# Allegro board 8880F5-0822_7.brd (continued)
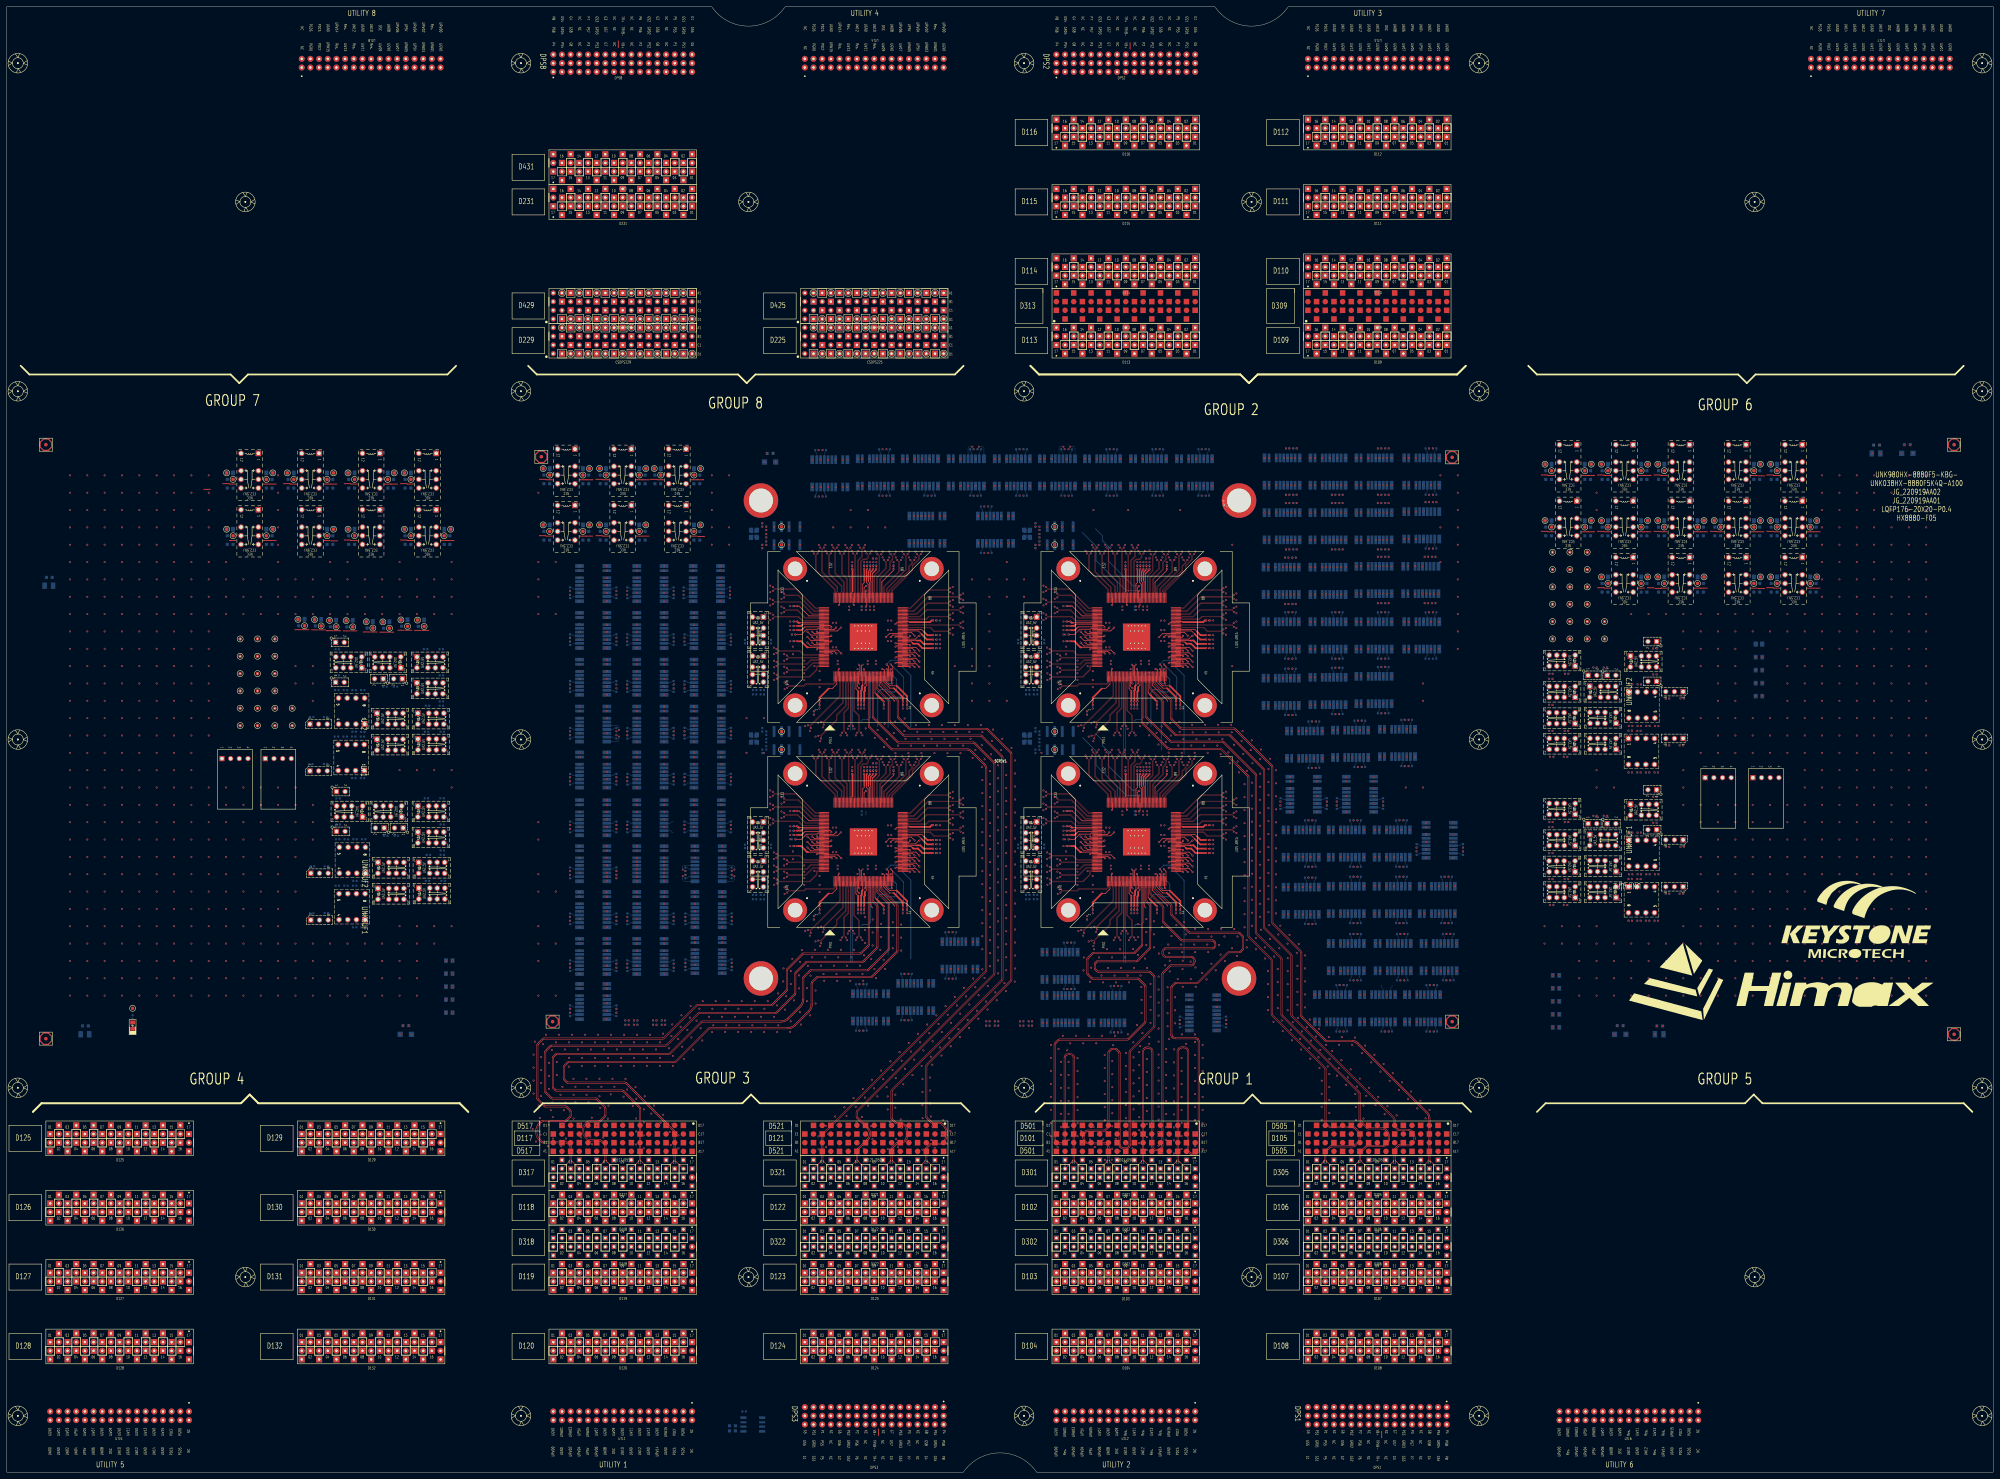
[diagram p0: board, top side]
## Placement (name value [footprint] x y rotation side) (continued)
NOREF#1338  -  []  252.6 288.86 0 top
NOREF#1339  -  []  380.59 239.21 0 top
NOREF#1340  -  []  387.08 188.15 0 top
NOREF#1341  -  []  418.37 289.17 90 top
NOREF#1342  -  []  312.46 144.39 90 top
NOREF#1343  -  []  199.84 162.12 90 top
NOREF#1344  -  []  303.84 288.86 0 top
NOREF#1345  -  []  337.9 186.99 0 top
NOREF#1346  -  []  384.36 131.89 0 top
NOREF#1347  -  []  483.17 130.26 90 top
NOREF#1348  -  []  269.94 135.19 0 top
NOREF#1349  -  []  168.69 292.55 90 top
NOREF#1350  -  []  127.95 187.53 0 top
NOREF#1351  -  []  257.9 186.99 0 top
NOREF#1352  -  []  249.85 164.74 0 top
NOREF#1353  -  []  330.49 223.52 90 top
NOREF#1354  -  []  400.79 154.88 0 top
NOREF#1355  -  []  257.09 163.52 90 top
NOREF#1356  -  []  230.41 247.61 90 top
NOREF#1357  -  []  317.05 288.86 0 top
NOREF#1358  -  []  103.93 235.64 0 top
NOREF#1359  -  []  338.2 186.67 0 top
NOREF#1360  -  []  375.73 199.18 90 top
NOREF#1361  -  []  327.25 264.35 90 top
NOREF#1362  -  []  107.18 246.83 90 top
NOREF#1363  -  []  94.93 190.55 0 top
NOREF#1364  -  []  230.73 186.66 0 top
NOREF#1365  -  []  415.1 163.64 0 top
NOREF#1366  -  []  247.25 264.35 90 top
NOREF#1367  -  []  418.12 257.42 90 top
NOREF#1368  -  []  210.86 201.29 90 top
NOREF#1369  -  []  221.56 179.06 0 top
NOREF#1370  -  []  453.84 222.5 0 top
NOREF#1371  -  []  400.85 233.11 0 top
NOREF#1372  -  []  118.7 222.88 0 top
NOREF#1373  -  []  392.24 196.98 90 top
NOREF#1374  -  []  461.96 166.93 0 top
NOREF#1375  -  []  419.9 240.56 90 top
NOREF#1376  -  []  283.25 147.43 90 top
NOREF#1377  -  []  111.54 287.84 90 top
NOREF#1378  -  []  459.28 183.57 90 top
NOREF#1379  -  []  332.51 265.56 0 top
NOREF#1380  -  []  336.77 223.82 90 top
NOREF#1381  -  []  392.04 257.11 90 top
NOREF#1382  -  []  322.62 139.64 0 top
NOREF#1383  -  []  260.55 136.46 90 top
NOREF#1384  -  []  167.7 151.68 90 top
NOREF#1385  -  []  112.16 238.84 0 top
NOREF#1386  -  []  105.58 234.24 90 top
NOREF#1387  -  []  182.57 171.96 90 top
NOREF#1388  -  []  351.34 249.5 0 top
NOREF#1389  -  []  328.62 290.13 90 top
NOREF#1390  -  []  175.7 257.6 90 top
NOREF#1391  -  []  414.82 281.37 0 top
NOREF#1392  -  []  229.21 246.34 0 top
NOREF#1393  -  []  352.25 244.86 90 top
NOREF#1394  -  []  329.85 224.72 0 top
NOREF#1395  -  []  328.42 129.74 90 top
NOREF#1396  -  []  382.47 133.16 90 top
NOREF#1397  -  []  424.98 146.33 90 top
NOREF#1398  -  []  167.7 186.57 90 top
NOREF#1399  -  []  192.47 154.88 90 top
NOREF#1400  -  []  110.47 171.02 0 top
NOREF#1401  -  []  318.3 224.74 90 top
NOREF#1402  -  []  184.47 178.86 90 top
NOREF#1403  -  []  252.83 264.65 90 top
NOREF#1404  -  []  107.02 179.19 0 top
NOREF#1405  -  []  352.55 181.37 0 top
NOREF#1406  -  []  241.6 296.61 0 top
NOREF#1407  -  []  369.63 273.11 0 top
NOREF#1408  -  []  256.77 163.82 90 top
NOREF#1409  -  []  272.25 182.32 90 top
NOREF#1410  -  []  230.43 188.88 0 top
NOREF#1411  -  []  175.7 182.06 90 top
NOREF#1412  -  []  184.47 145.93 90 top
NOREF#1413  -  []  199.59 243.9 90 top
NOREF#1414  -  []  367.73 274.38 90 top
NOREF#1415  -  []  272.55 241.37 0 top
NOREF#1416  -  []  392.04 224.85 90 top
NOREF#1417  -  []  265.81 288.86 0 top
NOREF#1418  -  []  423.71 181.22 90 top
NOREF#1419  -  []  239.33 243.63 90 top
NOREF#1420  -  []  261.63 255.43 90 top
NOREF#1421  -  []  403.41 209.61 0 top
NOREF#1422  -  []  310.43 253.37 90 top
NOREF#1423  -  []  479.44 195.66 0 top
NOREF#1424  -  []  262.04 224.72 0 top
NOREF#1425  -  []  371.73 289.12 0 top
NOREF#1426  -  []  184.47 147.28 90 top
NOREF#1427  -  []  352.24 244.86 90 top
NOREF#1428  -  []  167.7 241.43 0 top
NOREF#1429  -  []  351.34 249.5 0 top
NOREF#1430  -  []  184.47 187.92 90 top
NOREF#1431  -  []  177.33 173.86 90 top
NOREF#1432  -  []  332.51 265.55 0 top
NOREF#1433  -  []  199.59 158.5 90 top
NOREF#1434  -  []  368.03 249.11 0 top
NOREF#1435  -  []  462.06 274.77 90 top
NOREF#1436  -  []  175.7 195.52 90 top
NOREF#1437  -  []  417.7 154.88 0 top
NOREF#1438  -  []  230.43 253.37 0 top
NOREF#1439  -  []  369.63 289.12 0 top
NOREF#1440  -  []  385.93 161.74 0 top
NOREF#1441  -  []  117.01 234.24 90 top
NOREF#1442  -  []  229.21 187.61 0 top
NOREF#1443  -  []  485.36 289.48 90 top
NOREF#1444  -  []  201.21 273.5 90 top
NOREF#1445  -  []  184.47 241.43 0 top
NOREF#1446  -  []  184.47 173.11 90 top
NOREF#1447  -  []  385.19 241.11 0 top
NOREF#1448  -  []  385.19 232.85 0 top
NOREF#1449  -  []  386.46 139.89 0 top
NOREF#1450  -  []  377.32 180.15 0 top
NOREF#1451  -  []  369.38 241.11 0 top
NOREF#1452  -  []  201.23 219.75 90 top
NOREF#1453  -  []  424.55 146.88 90 top
NOREF#1454  -  []  413.75 171.64 0 top
NOREF#1455  -  []  215.96 248.49 0 top
NOREF#1456  -  []  165.8 131.57 0 top
NOREF#1457  -  []  167.7 132.72 90 top
NOREF#1458  -  []  223.15 211.32 90 top
NOREF#1459  -  []  333.4 265.55 0 top
NOREF#1460  -  []  388.35 217.36 0 top
NOREF#1461  -  []  406.19 171.64 0 top
NOREF#1462  -  []  93.02 247.21 90 top
NOREF#1463  -  []  451.68 230.2 0 top
NOREF#1464  -  []  332.51 205.56 0 top
NOREF#1465  -  []  392.73 188.15 0 top
NOREF#1466  -  []  559.43 297.18 90 top
NOREF#1467  -  []  462.06 293.82 90 top
NOREF#1468  -  []  250.49 223.52 90 top
NOREF#1469  -  []  127.3 235.64 90 top
NOREF#1470  -  []  386.53 181.42 90 top
NOREF#1471  -  []  272.25 244.23 0 top
NOREF#1472  -  []  215.96 237.06 0 top
NOREF#1473  -  []  352.25 242.96 0 top
NOREF#1474  -  []  167.7 192.32 90 top
NOREF#1475  -  []  127.55 191.95 90 top
NOREF#1476  -  []  259.33 265.56 90 top
NOREF#1477  -  []  388.43 180.15 0 top
NOREF#1478  -  []  108.27 171.02 0 top
NOREF#1479  -  []  334.61 204.65 90 top
NOREF#1480  -  []  384.17 163.39 90 top
NOREF#1481  -  []  339.65 265.86 90 top
NOREF#1482  -  []  296.81 275.94 0 top
NOREF#1483  -  []  252.83 204.65 90 top
NOREF#1484  -  []  263.31 224.72 0 top
NOREF#1485  -  []  242.23 173.13 90 top
NOREF#1486  -  []  184.47 256.5 90 top
NOREF#1487  -  []  261.63 173.83 90 top
NOREF#1488  -  []  297.41 213.24 0 top
NOREF#1489  -  []  450.03 225.6 0 top
NOREF#1490  -  []  463.11 186.77 0 top
NOREF#1491  -  []  320.94 151.63 90 top
NOREF#1492  -  []  117.26 190.55 90 top
NOREF#1493  -  []  75.98 287.84 90 top
NOREF#1494  -  []  184.47 206.29 90 top
NOREF#1495  -  []  230.41 186.34 90 top
NOREF#1496  -  []  397.55 209.41 90 top
NOREF#1497  -  []  271.34 243.91 0 top
NOREF#1498  -  []  184.47 145.93 0 top
NOREF#1499  -  []  453.88 230.2 0 top
NOREF#1500  -  []  388.43 180.15 0 top
NOREF#1501  -  []  268.01 296.86 0 top
NOREF#1502  -  []  352.24 182.32 90 top
NOREF#1503  -  []  310.43 193.37 90 top
NOREF#1504  -  []  351.34 241.37 0 top
NOREF#1505  -  []  414.57 265.37 0 top
NOREF#1506  -  []  256.73 132.14 0 top
NOREF#1507  -  []  478.57 293.82 90 top
NOREF#1508  -  []  96.58 195.15 0 top
NOREF#1509  -  []  209.49 168.6 90 top
NOREF#1510  -  []  263.63 223.82 90 top
NOREF#1511  -  []  271.34 189.5 0 top
NOREF#1512  -  []  334.29 205.56 90 top
NOREF#1513  -  []  342.36 223.82 90 top
NOREF#1514  -  []  396.55 225.11 0 top
NOREF#1515  -  []  201.91 145.63 90 top
NOREF#1516  -  []  229.51 249.2 0 top
NOREF#1517  -  []  481.96 273.87 90 top
NOREF#1518  -  []  405.93 272.66 90 top
NOREF#1519  -  []  310.43 189.52 0 top
NOREF#1520  -  []  248.96 224.74 0 top
NOREF#1521  -  []  184.47 186.57 0 top
NOREF#1522  -  []  251.06 225.04 90 top
NOREF#1523  -  []  230.73 253.69 0 top
NOREF#1524  -  []  105.83 190.55 90 top
NOREF#1525  -  []  298.16 188.49 0 top
NOREF#1526  -  []  297.83 174.63 90 top
NOREF#1527  -  []  483.04 195.66 0 top
NOREF#1528  -  []  127.99 214.79 0 top
NOREF#1529  -  []  399.67 131.89 0 top
NOREF#1530  -  []  113.08 129.54 0 top
NOREF#1531  -  []  272.55 182.64 0 top
NOREF#1532  -  []  155.57 275.14 90 top
NOREF#1533  -  []  262.04 224.74 0 top
NOREF#1534  -  []  182.57 226.57 0 top
NOREF#1535  -  []  256.45 164.74 0 top
NOREF#1536  -  []  108.01 222.33 0 top
NOREF#1537  -  []  302.11 240.71 0 top
NOREF#1538  -  []  331.86 252.43 90 top
NOREF#1539  -  []  251.06 163.82 90 top
NOREF#1540  -  []  392.47 224.3 90 top
NOREF#1541  -  []  260.6 286.96 90 top
NOREF#1542  -  []  263.95 164.74 90 top
NOREF#1543  -  []  184.47 159.65 90 top
NOREF#1544  -  []  344.62 131.89 90 top
NOREF#1545  -  []  167.7 176.66 90 top
NOREF#1546  -  []  167.7 147.28 90 top
NOREF#1547  -  []  251.94 205.86 90 top
NOREF#1548  -  []  331.94 265.86 90 top
NOREF#1549  -  []  124.39 214.79 0 top
NOREF#1550  -  []  424.47 163.19 90 top
NOREF#1551  -  []  313.98 143.89 90 top
NOREF#1552  -  []  418.63 131.94 90 top
NOREF#1553  -  []  22.16 130.26 90 top
NOREF#1554  -  []  410.52 289.12 0 top
NOREF#1555  -  []  175.7 246.08 90 top
NOREF#1556  -  []  419.22 257.37 90 top
NOREF#1557  -  []  167.7 233.47 90 top
NOREF#1558  -  []  310.43 246.34 90 top
NOREF#1559  -  []  315.16 290.13 90 top
NOREF#1560  -  []  411.09 146.88 90 top
NOREF#1561  -  []  333.72 265.86 90 top
NOREF#1562  -  []  250.73 204.35 90 top
NOREF#1563  -  []  192.47 232.37 90 top
NOREF#1564  -  []  465.45 276.41 90 top
NOREF#1565  -  []  459.28 227 90 top
NOREF#1566  -  []  279.27 296.86 0 top
NOREF#1567  -  []  175.7 137.37 90 top
NOREF#1568  -  []  177.33 242.18 90 top
NOREF#1569  -  []  175.7 202.99 90 top
NOREF#1570  -  []  342.04 224.72 0 top
NOREF#1571  -  []  118.74 215.34 0 top
NOREF#1572  -  []  456.08 230.2 0 top
NOREF#1573  -  []  353.35 288.41 90 top
NOREF#1574  -  []  346.27 135.17 90 top
NOREF#1575  -  []  470.71 183.57 90 top
NOREF#1576  -  []  184.47 186.57 90 top
NOREF#1577  -  []  182.82 243.9 90 top
NOREF#1578  -  []  175.7 177.76 90 top
NOREF#1579  -  []  274.67 286.96 0 top
NOREF#1580  -  []  167.7 219.75 90 top
NOREF#1581  -  []  379.01 288.67 90 top
NOREF#1582  -  []  495.08 277.31 90 top
NOREF#1583  -  []  396.03 180.15 0 top
NOREF#1584  -  []  315.7 296.86 0 top
NOREF#1585  -  []  184.47 178.86 90 top
NOREF#1586  -  []  377.32 163.39 0 top
NOREF#1587  -  []  383.07 163.44 90 top
NOREF#1588  -  []  555.66 300.54 90 top
NOREF#1589  -  []  369.38 241.11 0 top
NOREF#1590  -  []  251.86 252.43 90 top
NOREF#1591  -  []  369.38 224.6 0 top
NOREF#1592  -  []  303.15 211.32 90 top
NOREF#1593  -  []  420.62 271.47 90 top
NOREF#1594  -  []  175.7 191.22 90 top
NOREF#1595  -  []  396.28 146.93 90 top
NOREF#1596  -  []  394.66 274.38 90 top
NOREF#1597  -  []  310.41 247.61 90 top
NOREF#1598  -  []  127.7 231.22 0 top
NOREF#1599  -  []  390.53 146.88 0 top
NOREF#1600  -  []  304.61 144.34 0 top
NOREF#1601  -  []  402.14 146.88 0 top
NOREF#1602  -  []  405.51 209.61 0 top
NOREF#1603  -  []  167.7 159.65 90 top
NOREF#1604  -  []  182.82 203.01 90 top
NOREF#1605  -  []  210.86 187.32 90 top
NOREF#1606  -  []  301.56 182.89 0 top
NOREF#1607  -  []  459.28 183.57 0 top
NOREF#1608  -  []  272.55 245.18 0 top
NOREF#1609  -  []  352.25 181.69 0 top
NOREF#1610  -  []  334.29 265.55 0 top
NOREF#1611  -  []  310.73 189.2 0 top
NOREF#1612  -  []  96.33 238.84 0 top
NOREF#1613  -  []  283.21 270.2 90 top
NOREF#1614  -  []  390.59 195.9 90 top
NOREF#1615  -  []  465.31 230.2 0 top
NOREF#1616  -  []  308.36 262.16 45 top
NOREF#1617  -  []  342.68 164.74 90 top
NOREF#1618  -  []  332.51 205.56 90 top
NOREF#1619  -  []  333.4 205.56 90 top
NOREF#1620  -  []  229.21 186.34 0 top
NOREF#1621  -  []  396.55 241.11 0 top
NOREF#1622  -  []  248 286.96 0 top
NOREF#1623  -  []  399.07 208.91 90 top
NOREF#1624  -  []  333.33 181.33 90 top
NOREF#1625  -  []  230.73 189.2 0 top
NOREF#1626  -  []  263.31 224.74 0 top
NOREF#1627  -  []  406.65 287.22 90 top
NOREF#1628  -  []  194.09 160.4 90 top
NOREF#1629  -  []  259.33 205.56 90 top
NOREF#1630  -  []  115.87 167.82 90 top
NOREF#1631  -  []  217.41 273.24 0 top
NOREF#1632  -  []  271.34 249.5 0 top
NOREF#1633  -  []  369.38 224.6 0 top
NOREF#1634  -  []  218.16 248.49 0 top
NOREF#1635  -  []  310.73 246.66 0 top
NOREF#1636  -  []  331.94 264.65 90 top
NOREF#1637  -  []  250.73 265.56 0 top
NOREF#1638  -  []  251.05 264.65 90 top
NOREF#1639  -  []  106.36 190.55 0 top
NOREF#1640  -  []  273.59 272.15 90 top
NOREF#1641  -  []  229.21 253.37 0 top
NOREF#1642  -  []  343.31 164.74 0 top
NOREF#1643  -  []  312.21 131.64 0 top
NOREF#1644  -  []  411.26 179.6 90 top
NOREF#1645  -  []  192.47 230.17 90 top
NOREF#1646  -  []  272.24 249.18 90 top
NOREF#1647  -  []  459.28 168.33 90 top
NOREF#1648  -  []  272.25 242.96 0 top
NOREF#1649  -  []  459.24 175.86 0 top
NOREF#1650  -  []  184.47 165.4 90 top
NOREF#1651  -  []  36.1 131.91 0 top
NOREF#1652  -  []  272.24 249.18 90 top
NOREF#1653  -  []  239.33 176.03 0 top
NOREF#1654  -  []  248.96 224.72 0 top
NOREF#1655  -  []  312.25 211.67 90 top
NOREF#1656  -  []  107.02 174.04 90 top
NOREF#1657  -  []  462.06 291.28 90 top
NOREF#1658  -  []  331.94 204.65 90 top
NOREF#1659  -  []  230.43 253.37 90 top
NOREF#1660  -  []  272.55 183.91 0 top
NOREF#1661  -  []  209.33 187.82 90 top
NOREF#1662  -  []  167.7 145.93 0 top
NOREF#1663  -  []  451.68 230.2 0 top
NOREF#1664  -  []  387.39 297.12 0 top
NOREF#1665  -  []  331.05 265.86 90 top
NOREF#1666  -  []  108.01 214.71 0 top
NOREF#1667  -  []  237.98 163.82 90 top
NOREF#1668  -  []  184.47 233.47 90 top
NOREF#1669  -  []  472.86 210.36 90 top
NOREF#1670  -  []  192.47 250.38 90 top
NOREF#1671  -  []  401.89 180.15 0 top
NOREF#1672  -  []  167.7 231.27 90 top
NOREF#1673  -  []  106.76 215.26 0 top
NOREF#1674  -  []  251.54 252.73 90 top
NOREF#1675  -  []  249.28 223.82 90 top
NOREF#1676  -  []  194.09 242.18 90 top
NOREF#1677  -  []  230.41 193.37 90 top
NOREF#1678  -  []  343.31 164.72 0 top
NOREF#1679  -  []  251.38 224.74 90 top
NOREF#1680  -  []  167.7 161 90 top
NOREF#1681  -  []  209.49 162.1 90 top
NOREF#1682  -  []  167.7 219.75 90 top
NOREF#1683  -  []  240.83 194.63 0 top
NOREF#1684  -  []  201.23 204.09 90 top
NOREF#1685  -  []  271.04 245.5 0 top
NOREF#1686  -  []  250.5 288.86 0 top
NOREF#1687  -  []  463.61 179.15 0 top
NOREF#1688  -  []  346.27 135.17 90 top
NOREF#1689  -  []  336.45 164.74 0 top
NOREF#1690  -  []  389.7 209.36 0 top
NOREF#1691  -  []  220.36 248.49 0 top
NOREF#1692  -  []  351.04 249.18 0 top
NOREF#1693  -  []  415.6 146.88 0 top
NOREF#1694  -  []  251.05 265.86 90 top
NOREF#1695  -  []  344.37 128.27 90 top
NOREF#1696  -  []  119.7 238.84 0 top
NOREF#1697  -  []  460.89 217.9 90 top
NOREF#1698  -  []  217.41 213.24 0 top
NOREF#1699  -  []  468.01 214.96 0 top
NOREF#1700  -  []  108.01 195.15 0 top
NOREF#1701  -  []  201.23 233.47 90 top
NOREF#1702  -  []  371.48 249.11 0 top
NOREF#1703  -  []  217.41 213.24 90 top
NOREF#1704  -  []  471.21 175.95 0 top
NOREF#1705  -  []  96.58 195.15 0 top
NOREF#1706  -  []  127.84 167.9 90 top
NOREF#1707  -  []  329.85 224.74 0 top
NOREF#1708  -  []  201.49 159.65 90 top
NOREF#1709  -  []  252.51 205.56 90 top
NOREF#1710  -  []  310.43 247.61 90 top
NOREF#1711  -  []  404.15 225.11 0 top
NOREF#1712  -  []  201.49 176.66 90 top
NOREF#1713  -  []  339.65 205.86 90 top
NOREF#1714  -  []  351.04 181.69 0 top
NOREF#1715  -  []  201.23 214 90 top
NOREF#1716  -  []  406.95 131.44 90 top
NOREF#1717  -  []  209.23 230.17 90 top
NOREF#1718  -  []  300.74 286.96 90 top
NOREF#1719  -  []  317.05 288.86 0 top
NOREF#1720  -  []  270.04 280.1 0 top
NOREF#1721  -  []  554.86 298.45 0 top
NOREF#1722  -  []  342.04 224.74 0 top
NOREF#1723  -  []  165.8 240.28 90 top
NOREF#1724  -  []  230.73 189.2 0 top
NOREF#1725  -  []  383.09 273.11 0 top
NOREF#1726  -  []  336.77 165.04 90 top
NOREF#1727  -  []  420.15 131.44 90 top
NOREF#1728  -  []  451.68 214.96 0 top
NOREF#1729  -  []  209.33 201.79 90 top
NOREF#1730  -  []  175.8 147.18 90 top
NOREF#1731  -  []  310.41 183.09 90 top
NOREF#1732  -  []  184.47 165.4 90 top
NOREF#1733  -  []  485.36 257.36 90 top
NOREF#1734  -  []  396.22 139.89 0 top
NOREF#1735  -  []  330.49 164.74 90 top
NOREF#1736  -  []  306.85 271.67 0 top
NOREF#1737  -  []  310.43 248.88 0 top
NOREF#1738  -  []  343.63 163.82 90 top
NOREF#1739  -  []  118.45 231.77 0 top
NOREF#1740  -  []  194.09 228.47 90 top
NOREF#1741  -  []  326.43 288.31 90 top
NOREF#1742  -  []  271.04 184.23 0 top
NOREF#1743  -  []  423.45 146.93 90 top
NOREF#1744  -  []  238.45 197.01 0 top
NOREF#1745  -  []  417.2 171.64 0 top
NOREF#1746  -  []  209.33 228.97 90 top
NOREF#1747  -  []  418.12 273.37 0 top
NOREF#1748  -  []  352.25 189.82 0 top
NOREF#1749  -  []  419.65 256.92 90 top
NOREF#1750  -  []  396.55 289.12 0 top
NOREF#1751  -  []  404.4 289.17 90 top
NOREF#1752  -  []  111.54 290.38 90 top
NOREF#1753  -  []  352.24 183.59 90 top
NOREF#1754  -  []  337.9 246.35 90 top
NOREF#1755  -  []  210.6 255.9 90 top
NOREF#1756  -  []  392.47 224.4 90 top
NOREF#1757  -  []  252.83 205.86 90 top
NOREF#1758  -  []  118.74 215.34 0 top
NOREF#1759  -  []  252.51 265.55 0 top
NOREF#1760  -  []  259.33 264.35 90 top
NOREF#1761  -  []  373.68 232.6 0 top
NOREF#1762  -  []  298.16 248.49 0 top
NOREF#1763  -  []  192.47 150.58 90 top
NOREF#1764  -  []  124.35 195.15 0 top
NOREF#1765  -  []  352.25 181.05 90 top
NOREF#1766  -  []  330.17 163.82 90 top
NOREF#1767  -  []  366.88 239.21 0 top
NOREF#1768  -  []  352.24 249.18 90 top
NOREF#1769  -  []  192.47 148.38 90 top
NOREF#1770  -  []  375.73 194.78 90 top
NOREF#1771  -  []  317.66 224.72 0 top
NOREF#1772  -  []  229.21 183.09 0 top
NOREF#1773  -  []  167.7 132.72 0 top
NOREF#1774  -  []  460.93 191.31 90 top
NOREF#1775  -  []  254.61 265.86 90 top
NOREF#1776  -  []  247.25 205.55 0 top
NOREF#1777  -  []  184.47 244.98 90 top
NOREF#1778  -  []  268.94 272.1 0 top
NOREF#1779  -  []  308.91 139.64 0 top
NOREF#1780  -  []  400.54 171.64 0 top
NOREF#1781  -  []  35.83 128.17 90 top
NOREF#1782  -  []  237.98 225.04 90 top
NOREF#1783  -  []  230.73 243.41 0 top
NOREF#1784  -  []  405.17 131.89 0 top
NOREF#1785  -  []  334.61 205.86 90 top
NOREF#1786  -  []  209.23 216.45 90 top
NOREF#1787  -  []  201.23 192.32 90 top
NOREF#1788  -  []  166.06 230.19 90 top
NOREF#1789  -  []  294.94 296.86 0 top
NOREF#1790  -  []  319.15 296.86 0 top
NOREF#1791  -  []  252.51 205.56 0 top
NOREF#1792  -  []  199.33 257.62 90 top
NOREF#1793  -  []  168.13 213.45 90 top
NOREF#1794  -  []  166.06 189.04 90 top
NOREF#1795  -  []  465.45 292.92 90 top
NOREF#1796  -  []  182.57 240.28 0 top
NOREF#1797  -  []  380.59 222.95 0 top
NOREF#1798  -  []  388.66 139.89 0 top
NOREF#1799  -  []  167.7 200.54 90 top
NOREF#1800  -  []  398.65 225.11 0 top
NOREF#1801  -  []  339.33 205.56 0 top
NOREF#1802  -  []  368.28 281.11 0 top
NOREF#1803  -  []  184.47 174.46 90 top
NOREF#1804  -  []  400.85 249.11 0 top
NOREF#1805  -  []  395.2 265.37 0 top
NOREF#1806  -  []  310.41 246.34 90 top
NOREF#1807  -  []  229.21 193.37 0 top
NOREF#1808  -  []  471.21 168.33 0 top
NOREF#1809  -  []  258.1 288.86 0 top
NOREF#1810  -  []  199.59 216.47 90 top
NOREF#1811  -  []  371.48 232.6 0 top
NOREF#1812  -  []  348.28 296.86 0 top
NOREF#1813  -  []  403.99 188.15 0 top
NOREF#1814  -  []  395.2 233.11 0 top
NOREF#1815  -  []  184.47 159.65 0 top
NOREF#1816  -  []  201.23 186.57 0 top
NOREF#1817  -  []  128.24 171.1 0 top
NOREF#1818  -  []  36.1 129.71 90 top
NOREF#1819  -  []  118.74 210.19 90 top
NOREF#1820  -  []  249.13 140.14 0 top
NOREF#1821  -  []  459.28 192.71 90 top
NOREF#1822  -  []  273.95 155.38 0 top
NOREF#1823  -  []  127.3 228.02 90 top
NOREF#1824  -  []  383.83 194.68 90 top
NOREF#1825  -  []  459.24 175.86 90 top
NOREF#1826  -  []  339.46 288.86 90 top
NOREF#1827  -  []  296.96 180.71 0 top
NOREF#1828  -  []  367.13 287.22 0 top
NOREF#1829  -  []  230.43 183.09 90 top
NOREF#1830  -  []  459.28 211.76 90 top
NOREF#1831  -  []  201.23 206.29 90 top
NOREF#1832  -  []  332.51 205.55 0 top
NOREF#1833  -  []  351.04 244.23 0 top
NOREF#1834  -  []  409.74 180.2 90 top
NOREF#1835  -  []  388.43 163.64 0 top
NOREF#1836  -  []  331.22 193.63 0 top
NOREF#1837  -  []  101.82 290.38 90 top
NOREF#1838  -  []  396.03 163.64 0 top
NOREF#1839  -  []  329.16 296.86 0 top
NOREF#1840  -  []  346.27 129.42 90 top
NOREF#1841  -  []  230.73 183.41 0 top
NOREF#1842  -  []  327.57 264.65 90 top
NOREF#1843  -  []  175.7 141.67 90 top
NOREF#1844  -  []  250.17 225.04 90 top
NOREF#1845  -  []  229.21 248.88 0 top
NOREF#1846  -  []  250.74 224.74 0 top
NOREF#1847  -  []  192.57 256.4 90 top
NOREF#1848  -  []  258.2 186.67 0 top
NOREF#1849  -  []  310.43 193.37 90 top
NOREF#1850  -  []  209.23 189.02 90 top
NOREF#1851  -  []  411.52 146.43 90 top
NOREF#1852  -  []  185.2 273.5 90 top
NOREF#1853  -  []  128.21 178.64 0 top
NOREF#1854  -  []  351.04 249.82 0 top
NOREF#1855  -  []  272.24 242.32 90 top
NOREF#1856  -  []  184.47 163.2 90 top
NOREF#1857  -  []  378.75 256.56 90 top
NOREF#1858  -  []  115.87 175.44 90 top
NOREF#1859  -  []  108.27 178.64 0 top
NOREF#1860  -  []  119.99 214.79 0 top
NOREF#1861  -  []  320.94 211.63 90 top
NOREF#1862  -  []  339.65 264.65 90 top
NOREF#1863  -  []  301.95 290.13 90 top
NOREF#1864  -  []  375.22 180.15 0 top
NOREF#1865  -  []  250.5 288.86 0 top
NOREF#1866  -  []  251.62 264.35 90 top
NOREF#1867  -  []  167.7 206.29 90 top
NOREF#1868  -  []  184.47 227.72 0 top
NOREF#1869  -  []  200.98 255.15 90 top
NOREF#1870  -  []  184.89 186.02 90 top
NOREF#1871  -  []  369.38 224.6 0 top
NOREF#1872  -  []  390.94 224.9 90 top
NOREF#1873  -  []  329.6 164.74 90 top
NOREF#1874  -  []  107.02 166.42 90 top
NOREF#1875  -  []  166.06 216.47 90 top
NOREF#1876  -  []  104.18 191.95 0 top
NOREF#1877  -  []  309.21 183.09 0 top
NOREF#1878  -  []  315.82 129.74 0 top
NOREF#1879  -  []  330.74 164.74 0 top
NOREF#1880  -  []  240.94 211.63 90 top
NOREF#1881  -  []  226.83 269.63 90 top
NOREF#1882  -  []  254.29 205.56 90 top
NOREF#1883  -  []  272.25 241.69 0 top
NOREF#1884  -  []  342.68 163.52 90 top
NOREF#1885  -  []  253.4 205.56 0 top
NOREF#1886  -  []  334.81 296.86 0 top
NOREF#1887  -  []  271.56 288.91 90 top
NOREF#1888  -  []  230.43 187.61 90 top
NOREF#1889  -  []  209.23 205.19 90 top
NOREF#1890  -  []  273.09 288.41 90 top
NOREF#1891  -  []  182.57 254 0 top
NOREF#1892  -  []  390.69 257.11 0 top
NOREF#1893  -  []  201.23 200.54 0 top
NOREF#1894  -  []  237.2 296.61 0 top
NOREF#1895  -  []  413.96 182.44 90 top
NOREF#1896  -  []  273.5 148.65 90 top
NOREF#1897  -  []  377.32 171.39 0 top
NOREF#1898  -  []  201.49 146.18 0 top
NOREF#1899  -  []  451.68 239.34 0 top
NOREF#1900  -  []  238.3 164.74 90 top
NOREF#1901  -  []  410.27 257.37 0 top
NOREF#1902  -  []  398.65 249.11 0 top
NOREF#1903  -  []  334.29 265.56 0 top
NOREF#1904  -  []  199.59 203.01 90 top
NOREF#1905  -  []  240.83 254.63 0 top
NOREF#1906  -  []  401.89 180.15 0 top
NOREF#1907  -  []  221.56 242.89 0 top
NOREF#1908  -  []  83.77 247.51 90 top
NOREF#1909  -  []  290.64 288.86 0 top
NOREF#1910  -  []  405.93 288.57 90 top
NOREF#1911  -  []  215.96 177.06 0 top
NOREF#1912  -  []  184.47 201.89 90 top
NOREF#1913  -  []  231.15 219.63 90 top
NOREF#1914  -  []  155.57 289.11 90 top
NOREF#1915  -  []  321.82 167.13 90 top
NOREF#1916  -  []  374.88 217.11 0 top
NOREF#1917  -  []  384.36 131.89 0 top
NOREF#1918  -  []  261.42 135.74 90 top
NOREF#1919  -  []  201.21 290.01 90 top
NOREF#1920  -  []  330.74 224.72 0 top
NOREF#1921  -  []  383.09 257.11 0 top
NOREF#1922  -  []  167.7 149.48 90 top
NOREF#1923  -  []  247.78 132.14 90 top
NOREF#1924  -  []  249.85 224.72 0 top
NOREF#1925  -  []  448.94 290.38 90 top
NOREF#1926  -  []  105.93 204.27 90 top
NOREF#1927  -  []  371.48 224.6 0 top
NOREF#1928  -  []  184.89 199.99 90 top
NOREF#1929  -  []  393.74 131.44 90 top
NOREF#1930  -  []  230.41 253.37 90 top
NOREF#1931  -  []  379.73 287.22 90 top
NOREF#1932  -  []  408.88 133.16 90 top
NOREF#1933  -  []  511.59 259.9 90 top
NOREF#1934  -  []  263.83 231.63 90 top
NOREF#1935  -  []  371.48 241.11 0 top
NOREF#1936  -  []  448.94 273.87 90 top
NOREF#1937  -  []  209.23 202.99 90 top
NOREF#1938  -  []  459.28 236.14 0 top
NOREF#1939  -  []  369.38 241.11 0 top
NOREF#1940  -  []  167.7 200.54 0 top
NOREF#1941  -  []  101.82 287.84 90 top
NOREF#1942  -  []  300.11 273.24 90 top
NOREF#1943  -  []  184.47 214 0 top
NOREF#1944  -  []  408.63 242.38 90 top
NOREF#1945  -  []  300.36 188.49 0 top
NOREF#1946  -  []  418.38 131.89 0 top
NOREF#1947  -  []  383.09 273.11 0 top
NOREF#1948  -  []  328.33 187.93 0 top
NOREF#1949  -  []  398.65 241.11 0 top
NOREF#1950  -  []  412.62 273.37 0 top
NOREF#1951  -  []  412.24 144.98 90 top
NOREF#1952  -  []  84.04 290.38 90 top
NOREF#1953  -  []  249.6 163.52 90 top
NOREF#1954  -  []  310.43 188.88 90 top
NOREF#1955  -  []  381.74 232.85 0 top
NOREF#1956  -  []  408.02 271.47 0 top
NOREF#1957  -  []  175.7 264.1 90 top
NOREF#1958  -  []  271.04 241.69 0 top
NOREF#1959  -  []  274.37 147.93 90 top
NOREF#1960  -  []  366.88 222.7 0 top
NOREF#1961  -  []  11.6 261.68 90 top
NOREF#1962  -  []  317.57 209.63 90 top
NOREF#1963  -  []  310.43 194.01 0 top
NOREF#1964  -  []  390.34 192.28 90 top
NOREF#1965  -  []  250.23 132.14 0 top
NOREF#1966  -  []  300.01 288.31 90 top
NOREF#1967  -  []  192.47 216.45 90 top
NOREF#1968  -  []  450.03 166.93 0 top
NOREF#1969  -  []  247.57 264.65 90 top
NOREF#1970  -  []  405.93 240.66 90 top
NOREF#1971  -  []  66.26 273.87 90 top
NOREF#1972  -  []  182.57 199.39 0 top
NOREF#1973  -  []  384.36 131.89 0 top
